# KiCad board FPGA-BOARDver3.kicad_pcb (continued)
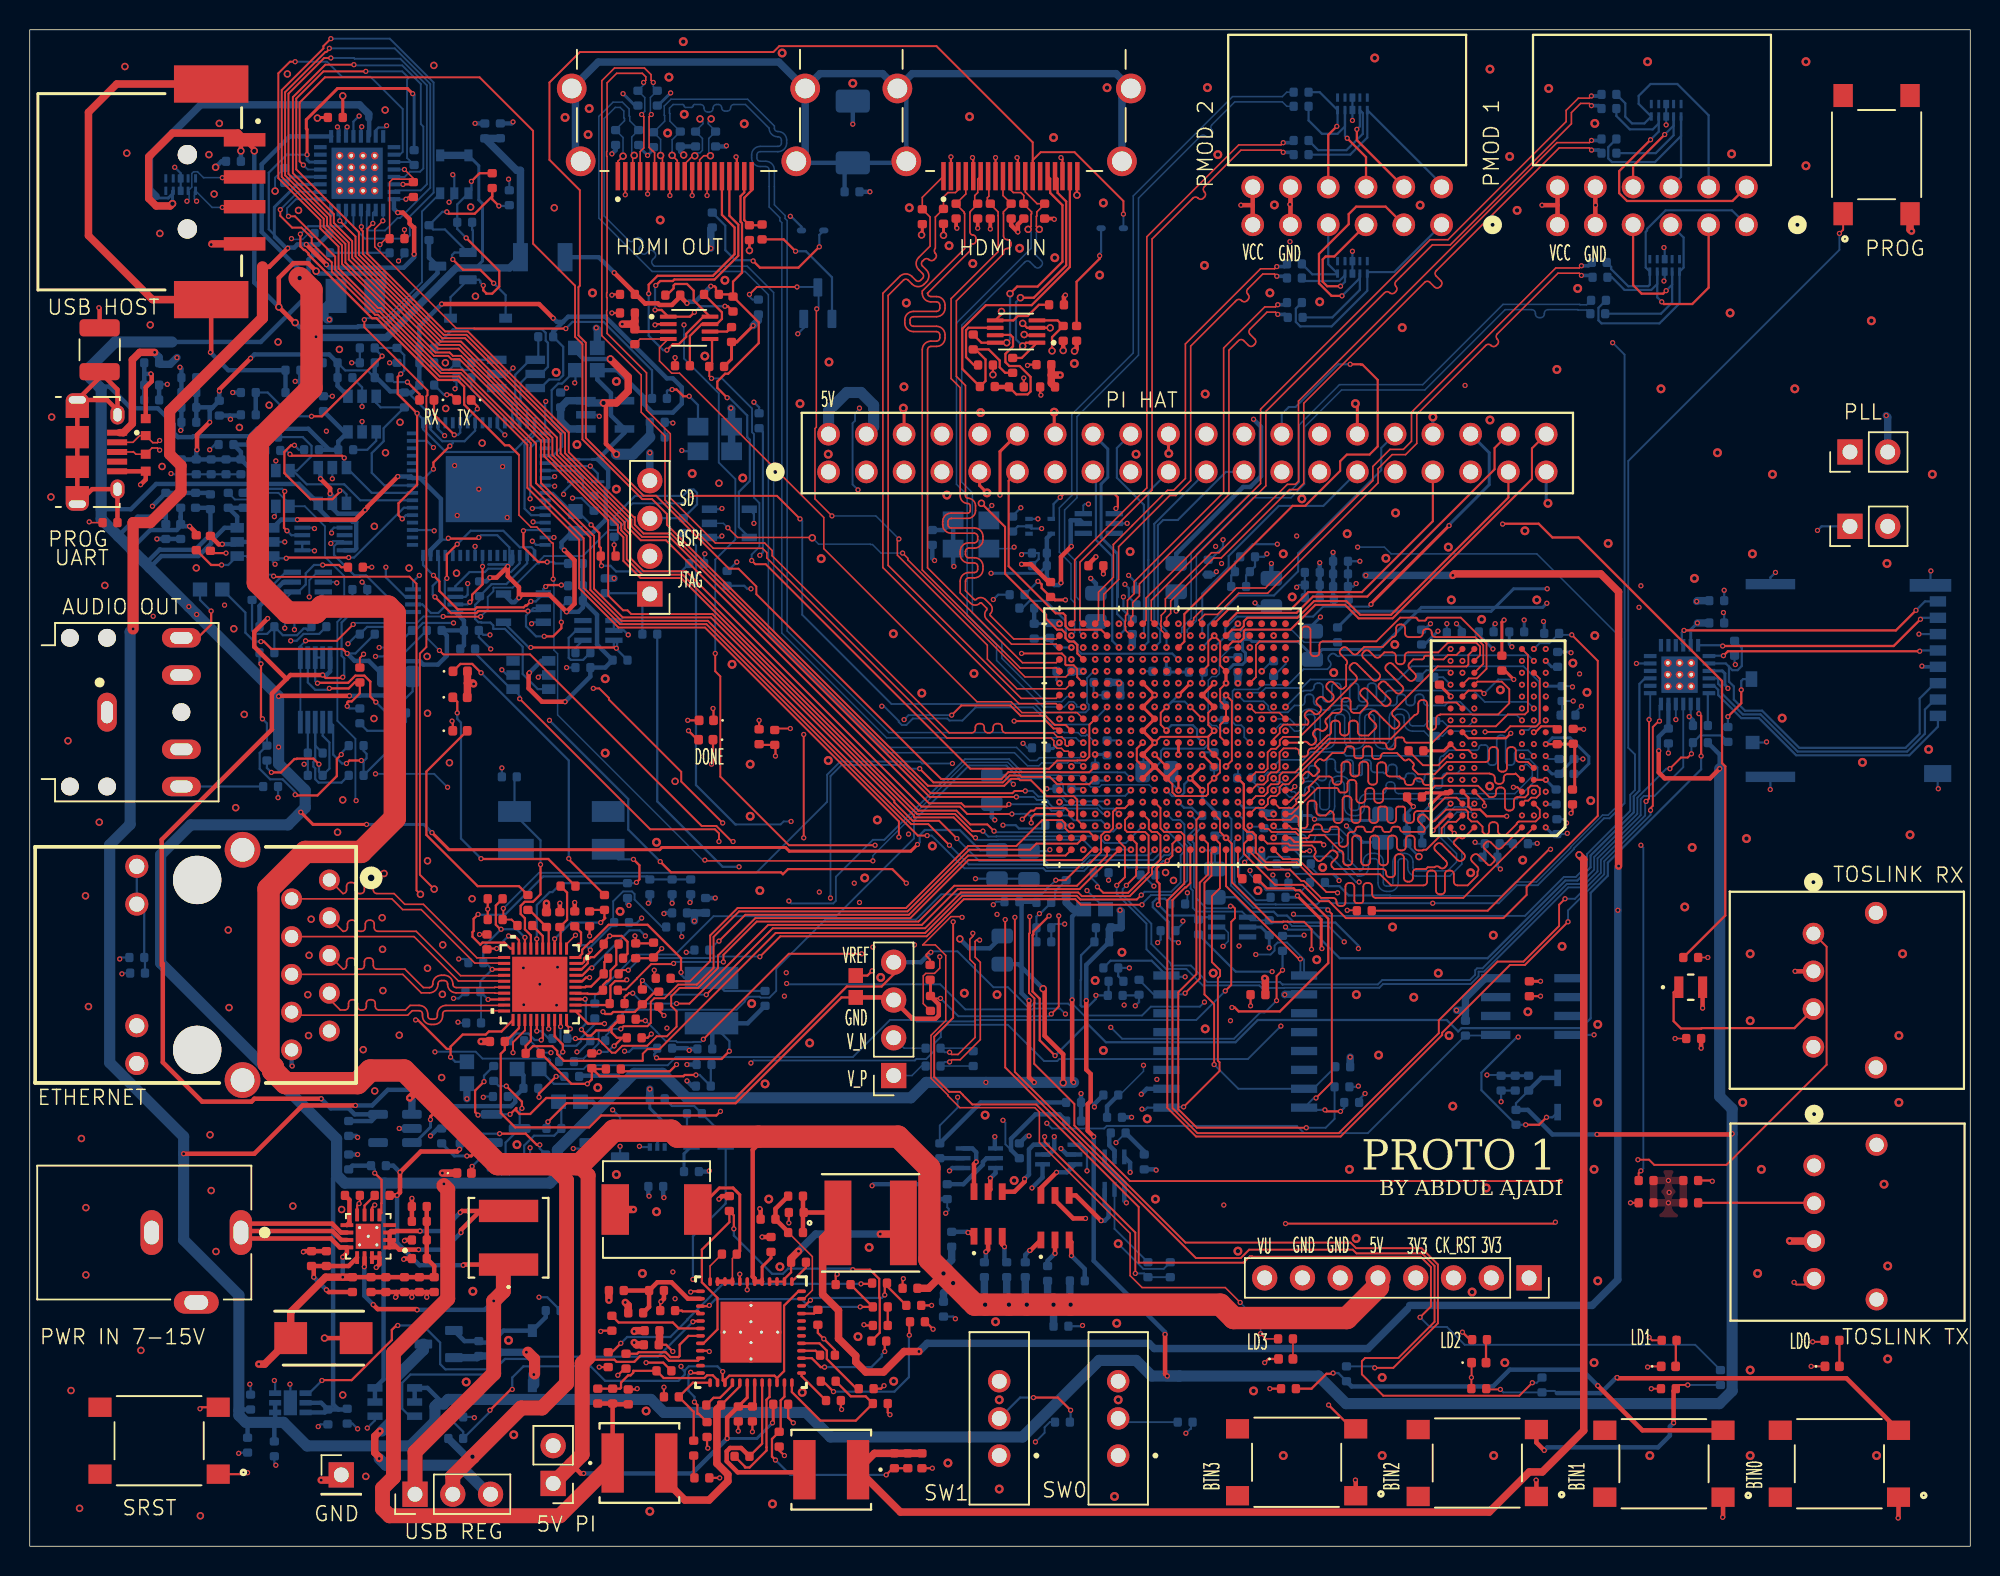
[diagram p0: board, top side]
## Nets (continued)
VREF0V9: C8.1 R18.2 R19.1 U1.E11
VU: C30.1 C192.1 C193.1 C194.1 C195.1 C196.1 C197.1 C198.1 C199.1 D37.1 J1.1 J7.8 R90.1 U14.10 U14.11 U14.12
XADC1v8: C13.1 U1.J9
XADC1V8: C26.1 C32.1 FL2.2 U16.1
XADC_V_N: J6.2 R123.1
XADC_V_P: J6.1 R122.1
XADCGND: C12.2 C13.2 C18.2 C26.2 C32.2 FL5.2 J6.3 U1.J10 U1.K10 U16.3
XADCVREF: C12.1 C18.1 J6.4 U1.L9 U16.2
Net-(C27-Pad2): C27.2 CR4.2 Q7.1 R83.2 R84.1
Net-(C147-Pad2): C147.2 R97.1
Net-(C150-Pad2): C150.2 R98.1
Net-(C152-Pad2): C152.2 R101.1
Net-(C158-Pad2): C158.2 R100.1
Net-(C175-Pad1): C175.1 R11.2 R12.1
Net-(C175-Pad2): C175.2 R16.2 R194.2 U10.1
Net-(C178-Pad1): C178.1 R194.1 R195.2
Net-(C179-Pad2): C179.2 F2.1 R196.2
Net-(C182-Pad1): C182.1 C183.1 CR3.2 Q10.1 R199.1 R200.2
Net-(C190-Pad2): C190.2 C191.2 R204.1 R205.1 U26.28 U26.30
Net-(CR5-OUTPUT): CR5.3 R201.1
Net-(D1-A): D1.2 R1.2
Net-(D4-A): D4.2 R2.2
Net-(D5-A): D5.2 R13.2
Net-(D6-A): D6.2 R14.2
Net-(D7-BA): D7.1 R30.2
Net-(D7-BK): D7.6 U32.6
Net-(D7-GA): D7.3 R32.2
Net-(D7-GK): D7.4 U33.6
Net-(D7-RA): D7.2 R31.2
Net-(D7-RK): D7.5 U33.3
Net-(D8-BA): D8.1 R58.2
Net-(D8-BK): D8.6 U31.3
Net-(D8-GA): D8.3 R60.2
Net-(D8-GK): D8.4 U32.3
Net-(D8-RA): D8.2 R59.2
Net-(D8-RK): D8.5 U31.6
Net-(D25-K): D25.2 R94.1
Net-(D26-PadA): D26.A R142.1
Net-(D27-PadA): D27.A R143.1
Net-(DONE1-A): DONE1.1 R115.2
Net-(F2-Pad2): F2.2 J9.3
Net-(IC1-ZQ): IC1.L8 R95.1
Net-(J4-Pin_1): J4.1 R46.1 R48.2
Net-(J4-Pin_3): J4.3 R47.2 R49.2
Net-(J5-Pin_1): J5.1 R39.2 R40.1
Net-(J8-Pin_1): J8.1 R41.2 R42.1
Net-(J9-Pad2): J9.2 R197.1
Net-(J10-Pad19): J10.19 R154.2 R207.2
Net-(J11-Pad19): J11.19 R152.1
Net-(J13-CD/DAT3^2): J13.2 U13.22
Net-(J13-CLK): J13.5 U13.19
Net-(J13-CMD): J13.3 R186.1 U13.20
Net-(J13-DAT0): J13.7 U13.18
Net-(J13-DAT1): J13.8 U13.16
Net-(J13-DAT2): J13.1 U13.23
Net-(J13-DETECT_SWITCH): J13.10 R184.2
Net-(J16-SHIELD): C203.1 J16.SH1 J16.SH2 J16.SH3 J16.SH4 J16.SH5 J16.SH6 R112.1
Net-(P1-P1): P1.1 R71.2 U29.5
Net-(P1-P2): P1.2 R72.2 U29.4
Net-(P1-P3): P1.3 R73.2 U29.1
Net-(P1-P4): P1.4 R74.2 U29.2
Net-(P1-P7): P1.7 R79.2 U30.4
Net-(P1-P8): P1.8 R80.2 U30.5
Net-(P1-P9): P1.9 R81.2 U30.1
Net-(P1-P10): P1.10 R82.2 U30.2
Net-(P2-P1): P2.1 R67.2 U27.1
Net-(P2-P2): P2.2 R68.2 U27.2
Net-(P2-P3): P2.3 R69.2 U27.4
Net-(P2-P4): P2.4 R70.2 U27.5
Net-(P2-P7): P2.7 R75.2 U28.1
Net-(P2-P8): P2.8 R76.2 U28.2
Net-(P2-P9): P2.9 R77.2 U28.4
Net-(P2-P10): P2.10 R78.2 U28.5
Net-(PWR1-A): PWR1.2 R111.2
Net-(Q8-Pad3): Q8.3 R94.2
Net-(Q9-Pad1): Q9.1 R207.1
Net-(R10-Pad1): R3.2 R9.1 R10.1 R11.1
Net-(R15-Pad1): R15.1 R27.1 S7.3
Net-(R21-Pad1): R21.1 R26.1 S6.3
Net-(R22-Pad1): R22.1 R25.1 S8.3
Net-(R23-Pad1): R23.1 R24.1 S9.3
Net-(R33-Pad1): R33.1 U32.2
Net-(R34-Pad1): R34.1 U33.5
Net-(R35-Pad1): R35.1 U33.2
Net-(R44-Pad1): R44.1 S2.1
Net-(R61-Pad1): R61.1 U31.5
Net-(R62-Pad1): R62.1 U31.2
Net-(R63-Pad1): R63.1 U32.5
Net-(RX1-A): R219.2 RX1.2
Net-(SW0-B): R29.1 SW0.2
Net-(SW1-B): R28.1 SW1.2
Net-(TX1-A): R220.2 TX1.2
Net-(U1C-PS_DDR_VRN_502): R7.2 U1.G5
Net-(U1C-PS_DDR_VRP_502): R6.2 U1.H5
Net-(U1D-PS_MIO16_501): R239.1 U1.A19
Net-(U1D-PS_MIO17_501): R234.1 U1.E14
Net-(U1D-PS_MIO18_501): R236.1 U1.B18
Net-(U1D-PS_MIO19_501): R237.1 U1.D10
Net-(U1D-PS_MIO20_501): R238.1 U1.A17
Net-(U1D-PS_MIO21_501): R235.1 U1.F14
Net-(U1D-PS_MIO40_501): R8.1 U1.D14
Net-(U1E-DONE_0): R114.2 R115.1 U1.R11
Net-(U1E-INIT_B_0): R54.2 U1.R10
Net-(U1E-PROGRAM_B_0): R53.2 U1.L6
Net-(U1E-TCK_0): R120.1 U1.F9
Net-(U1E-TDI_0): R119.1 U1.G6
Net-(U1E-TDO_0): R121.1 U1.F6
Net-(U1E-TMS_0): R118.1 U1.J6
Net-(U1H-PS_MIO6_500): R4.1 U1.A5
Net-(U3-OSCI): U3.2 U38.3
Net-(U3-REF): R51.1 U3.6
Net-(U3-RESET-): R210.2 U3.14
Net-(U5-RES_LED): R52.1 U5.2
Net-(U6-VCC): L1.1 U6.3
Net-(U8-OE): R131.2 U8.6
Net-(U8-VCCB): C17.1 R240.2 U8.7
Net-(U10A-+): C3.1 R12.2 U10.2
Net-(U10A--): R16.1 R193.2 U10.3
Net-(U10B-+): C177.1 R195.1 U10.7
Net-(U10B--): C178.2 C179.1 U10.8 U10.9
Net-(U11A-Y): R152.2 U11.4
Net-(U12-CLKOUT): R171.2 U12.35
Net-(U12-DVDD33): C56.1 C58.1 R156.1 U12.29
Net-(U12-LED0/CFG_EXT): R173.1 R177.1 U12.32
Net-(U12-LED1/CFG_LDO0): R175.1 R178.2 U12.33
Net-(U12-LED2/CFG_LDO1): R174.1 R176.1 U12.34
Net-(U12-REG_OUT/LDO_OUT): L2.1 R180.1 U12.30
Net-(U12-RSET): R172.2 U12.39
Net-(U12-RXC/PHYAD1): C59.1 R158.1 R161.1 U12.27
Net-(U12-RXCTL/PHYAD2): R159.1 R162.1 U12.26
Net-(U12-RXD0/RXDLY): R166.1 R169.2 U12.25
Net-(U12-RXD1/TXDLY): R165.1 R167.2 U12.24
Net-(U12-RXD2/PLLOFF): R157.1 R164.1 R168.2 U12.23
Net-(U12-RXD3/PHYAD0): R160.2 R163.1 U12.22
Net-(U12-XTAL_IN): C60.1 U12.36 Y1.1
Net-(U12-XTAL_OUT/EXT_CLK): C61.1 U12.37 Y1.3
Net-(U13-SEL): R179.2 U13.24
Net-(U14-EN): C28.1 R89.1 R90.2 U14.13
Net-(U14-FB): R87.1 R88.2 U14.5
Net-(U14-FSW): R91.2 U14.7
Net-(U14-SS/TR): C29.1 U14.9
Net-(U14-SW@1): L3.2 U14.1 U14.2 U14.3
Net-(U21A-Y1): R3.1 U21.6
Net-(U22-CB1): C168.1 U22.1
Net-(U22-CB2): C165.1 U22.12
Net-(U22-CB3): C162.1 U22.28
Net-(U22-CB4): C155.1 U22.33
Net-(U22-COMP1): C149.2 R97.2 U22.46
Net-(U22-COMP2): C151.2 R98.2 U22.15
Net-(U22-COMP3): C159.2 R100.2 U22.25
Net-(U22-COMP4): C153.2 R101.2 U22.36
Net-(U22-I2CALERT): R206.2 U22.41
Net-(U22-RCLOCK_SYNC): R102.2 U22.40
Net-(U22-SS1/PG1): C148.2 U22.45
Net-(U22-SS2/PG2): C157.2 U22.16
Net-(U22-SS3/PG3): C160.2 U22.24
Net-(U22-SS4/PG4): C154.2 U22.37
Net-(U22-SW1): C168.2 L10.2 U22.2 U22.3 U22.4
Net-(U22-SW2): C165.2 L5.2 U22.9 U22.10 U22.11
Net-(U22-SW3): C162.2 L6.2 U22.29
Net-(U22-SW4): C155.2 L7.2 U22.32
Net-(U22-VDDA): C146.1 U22.19
Net-(U22-VDDG): C143.2 U22.18
Net-(U22-VFB1): C169.2 R109.2 R110.1 U22.47
Net-(U22-VFB2): C166.2 R107.2 R108.1 U22.14
Net-(U22-VFB3): C163.2 R105.2 R106.1 U22.26
Net-(U22-VFB4): C161.2 R103.2 R104.1 U22.35
Net-(U24-OE): R124.2 U24.6
Net-(U24-VCCB): C24.1 R241.2 U24.7
Net-(U26-VDD15): C188.2 U26.12
Net-(U37-DI): R211.2 U37.3
Net-(U40-A2): R214.2 U40.3 U41.4
Net-(Y2-OUT): R50.2 Y2.3

Pads without a net: IC1 J1 J9 L1 L9 M7; J7 1; J8 2; J9 4 5; J10 14; J11 14; J12 9 13 14 15 16; J14 1 17; J16 4; S1 2 4; S2 2 4; S6 2 4; S7 2 4; S8 2 4; S9 2 4; U1 A20 B9 B12 B13 B19 B20 C12 C20 D18 E6 E8 E17 E18 E19 F16 F17 F19 F20 G18 G19 G20 H15 H20 J16 J20 K16 N17 P1 P3 P15 P16 P18 R1 R2 R3 R16 R17 T1 T2 T4 T5 T9 T10 T11 T12 T14 T15 U2 U3 U4 U5 V1 V2 V3 V5 W1 W3 W4 W5 Y1 Y2 Y3 Y4; U3 3 36 60; U4 1 2 3 6 7; U5 5 6; U6 5 6; U7 3 4 5 6 11 12 13 14; U13 8 10 12 13 14 15; U14 4; U15 4; U17 3 4; U18 1; U19 1; U22 38 44; U23 1 6; U26 8 15 16 24 25; U27 6 7 9 10; U28 6 7 9 10; U29 6 7 9 10; U30 6 7 9 10; U35 5 6 7 9 10; U36 4; U40 6; U45 6; U46 6; Y1 2 4

## Via types
v1: diameter 0.35, hole 0.2, Top to Bottom, 1308 vias
v2: diameter 0.5, hole 0.3, Top to Bottom, 140 vias
v3: diameter 0.6, hole 0.3, Top to Bottom, 209 vias

## Routing (per net, layer and track width the routed paths; a pad name or vN(x,y) marks a point on that pad's centre or on a via; arc(x,y) is an arc through that point)
+1V0: length 227.6
  Top w0.127: U1.N7 79.26,56.06 79.26,55.24 v1(79.65,54.85) ; v1(79.65,54.85) 79.26,54.46 79.26,53.64 U1.J7 80.04,52.86 80.04,52.04 v1(79.65,51.65) 79.24,51.24 79.24,50.59 79.11,50.46 77.09,50.46 76.84,50.7 76.84,51.26 U1.G11 ; v1(79.65,54.85) 79.24,54.44 76.04,54.44 v1(75.65,54.05)
  Top w0.2: U1.R7 U1.P8 U1.N7 ; U1.G13 U1.H12 ; U1.H12 U1.J13 v1(75.65,54.05) U1.L13 U1.M12 U1.N13 v1(75.65,57.25) U1.R13 ; U1.H12 U1.G11 U1.H10
  Top w0.3: R109.1 C169.1 ; L10.1 53.65,22.45 C170.1
  Top w0.5: v1(106.85,45.75) 106.85,64.2 105.65,65.4 95.8,65.4 v1(95.7,65.3) ; L10.1 53.32,20.72 53.32,16.94 54.39,15.87 54.39,13.97 55.55,12.81 55.55,12.39 56.22,11.72 57.42,11.72 58.8,13.1 v1(59.8,13.1)
  SIGNAL2.Cu w0.127: v1(106.8,42.77) 105.11,44.46 100.01,44.46 99.8,44.67 v1(89.4,44.67) ; v1(75.65,57.25) 76.05,57.65 78.19,57.65 78.42,57.88 78.42,61.1 78.43,61.11 78.43,65.93 v1(79.75,67.25)
  SIGNAL2.Cu w0.14: v1(79.66,58.05) 80.08,58.48 80.08,66.03 v1(80.15,66.1)
  SIGNAL2.Cu w0.2: 80.1,66.05 v1(80.15,66.1)
  Bottom w0.127: C114.1 v1(79.65,51.65) ; v1(89.4,44.67) 89.2,44.67 87.47,46.4 85.48,46.4 84.9,46.97 C131.1
  Bottom w0.14: v1(79.65,54.85) 79.26,54.46 79.26,53.93 78.98,53.65 76.23,53.65 76.07,53.49 76.07,52.77 75.4,52.1 74.9,52.1 74.9,53.3 v1(75.65,54.05)
  Bottom w0.15: v1(83.2,66.75) 83,66.55 C94.1 82.4,65.9 C96.1 81.8,65.3 C111.1
  Bottom w0.3: v1(86.75,66.15) C110.1 C95.1 ; v1(87.65,66.85) C109.1 87.65,63.75 C91.1 ; 79,65.35 79.6,65.35 v1(79.8,65.55) ; v1(83.5,66.1) C136.1
  Bottom w0.5: 92.65,15.95 90,13.3 75.62,13.3 75.27,13.65 60.35,13.65 v1(59.8,13.1) ; 106.8,45.7 v1(106.8,42.77) 106.8,17.93 105.07,16.2 92.8,16.2 ; v1(95.7,65.3) v1(89.85,65.3)
+1V5: length 153.2
  Top w0.127: R7.1 98.05,42.75 102.17,46.88 v1(102.27,46.88) ; IC1.H9 95.95,53.55 96.75,53.55 v1(97.15,53.15)
  Top w0.2: C49.1 93.9,50.67 95.13,50.67 95.2,50.75 IC1.D9 95.41,50.61 94.93,50.61 v1(94.2,49.88) ; v1(104.5,54.95) 104.48,54.97 C34.1 ; IC1.H9 95.1,53.5 C48.1
  Top w0.5: C156.1 R103.1 56.8,6.25 L7.1 58.55,2.3 98.15,2.3 100.85,5 101.73,5 104.5,7.78 104.5,46.2 v2(104.2,46.5)
  Bottom w0.127: v1(97.2,47.35) 97.3,47.25 C37.1 ; C84.1 103.95,56.1 v1(104.35,56.5) ; C46.1 95.05,58.45 v1(95.55,57.95) ; C47.1 103.7,57.85 v1(103.75,57.8) ; C89.1 84.46,59.34 v1(84.46,59.63) ; C88.1 83.32,46.37 84.68,46.37 C90.1 ; v1(103.4,47.95) 103.35,47.9 C39.1 ; R17.1 v1(104.45,52.95)
  Bottom w0.15: C86.1 82.62,49.68 81.6,49.68 v1(81.24,50.04) ; C83.1 93.6,49.27 v1(94.2,49.88) ; C51.1 93.65,48.05 v1(95.55,49.95)
  Bottom w0.2: C85.1 89.65,47.35 v1(88.55,48.45) ; v1(101.38,47.27) 101.35,47.25 C38.1 ; C40.1 96.3,61.7 v1(95.95,62.05) ; C50.1 93.8,60.65 v1(94.7,61.55) ; C39.1 102.4,47.9 v1(101.95,48.35) ; C43.1 102.35,59.15 v1(101.94,59.55) ; v1(99.67,60.5) 99.5,60.67 C44.1 ; v1(101.95,57.95) 102.05,57.85 C47.1 ; C83.1 93.6,47.35 C51.1 ; v1(101.97,52.35) 102.37,51.95 C82.1 R17.1 ; v1(101.94,49.95) 101.99,49.9 C42.1 ; C45.1 97.85,46.5 C37.1 ; C41.1 97.45,61.3 v1(98.4,60.35)
  Bottom w0.5: v1(83.65,49.25) 83.6,49.3 C86.1 ; 82.85,46 82.85,46.78 ; 96.35,61.5 C40.1 ; C87.1 v1(81.25,58.05)
  vias: v1(82.05,60.45) v1(82.05,52.45) v1(82.85,54.85) v1(82.85,46.85) v1(83.65,57.25) v1(84.45,51.65) v1(95.55,59.54) v1(95.56,51.55) v1(96.36,55.54) v1(96.35,48.35) v1(101.15,55.54) v1(101.16,53.96) v1(101.15,50.75) v1(101.17,49.16)
+1V8: length 639.4
  Top w0.127: v1(78.05,56.44) 78.06,56.44 U1.M8 ; v1(76.44,54.88) 76.06,55.26 76.06,56.06 v1(76.45,56.45)
  Top w0.2: v1(59.7,47.2) 59.25,46.75 51.08,46.75 50.83,47 42.51,47 42.36,46.85 28.2,46.85 v1(27.05,48) ; v1(22.65,48.55) 19.05,48.55 v1(18.23,49.38) ; v1(78.86,50.86) 78.84,50.86 U1.G9 78.05,51.67 v1(78.84,52.46) ; U1.R9 U1.P10
  Top w0.3: v1(70.1,36.75) 70.1,31.3 v1(70.2,31.2) ; v1(67.55,31.2) 67.2,31.55 v1(67.2,36.7) ; C163.1 39.25,9.55 C164.1 ; C163.1 L6.1 ; C163.1 R105.1 ; R221.2 11.2,68.15 v1(10.75,68.6) ; v1(69.35,64.8) 69.35,66.55 v1(70.05,67.25) ; v1(16.73,57.16) 16.77,57.2 v1(21.5,57.2) ; v2(68.15,37.5) 68.25,37.4 68.25,34.34 69.5,33.09 v2(69.5,31.17)
  Top w0.75: 28,24.22 v1(27.85,24.38)
  Top w1: L6.1 35.65,2.05 24.2,2.05 23.73,2.53 23.73,3.9 24.46,4.63 24.46,13 28.11,16.65 28.11,23.99 27.85,24.25
  SIGNAL.Cu w0.127: v1(59.7,47.2) 59.7,48.2 63.16,51.66 71.57,51.66 72.08,51.15 72.52,51.15 72.85,51.48 72.85,52.06 73.67,52.87 76.08,52.87 v1(76.44,53.23)
  SIGNAL.Cu w0.15: v1(64.3,31.2) 64.65,31.55 75.65,31.55 v1(75.8,31.4)
  SIGNAL2.Cu w0.127: v1(76.45,56.45) 76.05,56.85 74.75,56.85 74.44,57.16 74.44,58.24 74.23,58.45 ; v1(16.73,53.75) 16.75,53.75
  SIGNAL2.Cu w0.15: v1(76.46,50.83) 75.23,49.6 75.23,47.01 75.24,46.99 75.24,45.29 76.55,43.98 76.55,32.15 v1(75.8,31.4)
  SIGNAL2.Cu w0.2: v1(64.65,65.44) 64.59,65.5 56.65,65.5 ; 12.85,64.3 11.75,64.3 10.7,63.25 v1(10.7,63.2) ; 12.85,64.3 12.8,64.3 11.22,62.72 v1(11.22,62.67) ; 12.85,64.3 31.15,64.3 32.05,63.4 33.07,63.4 33.3,63.63 33.3,63.97 39.68,63.97 40.65,63 47.67,63 48.72,64.05 55.2,64.05 56.65,65.5 ; 56.65,65.5 56.8,65.5 56.9,65.6 56.93,65.6 58.93,67.6 69.7,67.6 v1(70.05,67.25) ; 74.23,58.45 73.1,58.45 73.1,58.44 69.09,58.44 68.55,57.9 68.55,57.9 68.53,57.88 55.93,57.88 52.1,54.05 17.05,54.05 16.75,53.75
  Bottom w0.127: v1(76.45,56.45) 76.81,56.81 77.67,56.81 v1(78.05,56.44)
  Bottom w0.15: v1(77.26,57.26) 77.26,57.26 v1(76.45,56.45) ; v1(76.44,54.88) 76.78,55.23 78.22,55.23 78.5,54.95 78.5,54.43 v1(78.87,54.06) ; C132.1 63.92,46.8 62.54,48.17 60.19,48.17 59.85,47.83 59.85,47.35 v1(59.7,47.2) ; v1(76.46,50.83) 76.83,50.46 77.42,50.46 77.64,50.68 77.64,51.25 v1(78.04,51.65)
  Bottom w0.2: C76.1 67.89,65.44 v1(64.65,65.44) ; v1(78.86,50.86) 78.86,50.29 79.85,49.3 C97.1 ; v1(27.05,48) 26.5,48.55 v1(22.65,48.55)
  Bottom w0.3: v1(70.05,67.25) 70,67.3 70,69.01 70.63,69.01 U17.5 ; v1(21.5,57.2) 22.17,57.2 22.19,57.22 24.38,57.22 24.85,57.7 24.85,59.3 25.08,59.52 26.25,59.52 26.47,59.3 27.45,59.3 28.05,59.9 28.05,61.25 R233.2 R232.2 ; 7.6,66.3 8,66.3 8.75,67.05 8.78,67.02 11.12,67.02 12.15,68.05 C231.1 12.05,69.85 C232.1 ; R232.2 29.2,62.26 U47.8 ; R232.2 29.2,60.6 R230.2 ; C222.1 9.15,69.25 ; 9.15,69.25 7.25,69.25 5.95,67.95 ; 9.15,69.25 C227.1 ; v1(70.1,36.75) 70.1,42.35 70.6,42.85 FL1.2 ; v1(67.2,36.7) 66.7,37.2 66.7,43.2 C124.1 ; FL2.1 37.85,29.9 38.29,29.46 ; U18.5 68.4,67.8 C76.1 68.4,65.15 68.9,64.65 69.2,64.65 v1(69.35,64.8) ; U20.2 19.6,9.65 C172.1 ; C173.1 21.3,9.2 20.75,9.2 ; C172.1 19.85,9 U20.3 ; C172.1 20.75,9.2 ; C118.1 67.65,43.35 C124.1 ; U46.8 21.84,66.99 21.96,67.11 21.96,68.9 21.71,68.9 21.81,69 20.23,69 19.4,69.83 U43.6 18.1,71.45 8.5,71.45 6.8,69.75 4.8,69.75 ; 4.65,78 5.35,78 6.81,76.54 8.61,76.54 9.67,75.48 9.67,74.89 9.96,74.6 10.95,74.6 11.01,74.66 14.79,74.66 15.29,75.16 18.74,75.16 20.15,73.75 ; 23.85,24.42 23.8,24.37 23.8,11.23 U9.6 U9.5 ; 20.75,9.2 20.4,9.55 20.4,24.74 20.64,24.98 ; 10.15,69.25 10.15,68.62 9.88,68.35 8.1,68.35 6.82,67.07 ; 10.15,69.25 C225.1 10.3,68.6 v1(10.75,68.6) ; 10.15,69.25 C233.1 ; v2(68.15,37.5) 66.5,39.15 C125.1 ; 40.02,31.18 39.55,31.65 37,31.65 C21.1 ; C229.1 21.15,74.95 U44.6 20.75,74.3 R228.2 20.15,73.75 ; R205.2 18.75,86.55 18.75,84.21 15.54,81 9.56,81 ; 8.07,65.82 8.85,66.6 11.35,66.6 12.2,67.45 12.2,67.6 13.1,68.5 U39.6 13.95,69.25 R224.2 R231.2 14.45,69.95 U42.6 ; R226.2 20.15,73.75 ; C124.1 66.55,43.3 66.6,43.25
  Bottom w0.5: FL1.2 70.15,42.85 69.7,43.3 C108.1
  Bottom w0.75: v1(70.2,31.2) v1(67.55,31.2) v1(64.3,31.2) 60.29,31.2 59.26,30.16 44.2,30.16 42.55,31.81 40.65,31.81 35.48,26.65 35.48,24.93 34.98,24.42 21.19,24.42 20.64,24.98 20.64,27.4 8.8,39.23 8.8,46.5 10.82,48.52 17.37,48.52 18.53,49.67 18.53,50.84 16.73,52.63 v1(16.73,57.16) v1(11.22,62.67) v1(10.7,63.2) 4.8,69.1 4.8,77.85 4.1,78.55 4.1,79.35 5.75,81 9.56,81
  vias: v1(78.06,58.04) v1(78.84,55.64)
+3V3: length 267.7
  Top w0.1: R191.2 v1(112.85,39.6)
  Top w0.127: U1.K6 80.06,54.44 80.06,55.26 U1.M6 U1.N6 80.06,56.84 80.06,57.66 U1.R6 ; U1.T8 79.26,59.26 79.26,60.86 U1.W7 80.06,60.84 80.06,59.24 U1.T6 ; v1(86.2,40.15) 86.2,41.5 85.7,42 84.61,42 84.6,42.01 84.3,42.01 84.29,42 83.5,42 80.85,44.65 80.85,45.55 80.84,45.56 80.84,47.26 v1(80.45,47.65) 80.04,48.06 80.04,48.86 U1.D7
  Top w0.15: R93.1 v1(23,65.85) ; v2(68.63,81.95) U24.3 67.08,81.95 v2(66.77,82.25) ; R124.1 v2(64.77,78.8)
  Top w0.2: v1(86.9,40.2) 86.85,40.25 86.85,42.15 v1(85.25,43.75) ; v2(59.98,88.2) 60.02,88.25 R141.2 ; v1(48.65,82.1) 47.55,81 R131.1 47.2,79.85 R127.2 ; C15.1 v1(101.6,38) ; C187.2 19.39,96.1 v2(19.34,96.06) ; U8.3 40.84,81.7 R128.2 ; U1.R6 U1.T6 ; R140.2 v2(61.45,88.17)
  Top w0.249: v1(62.35,88.65) 62.3,88.7 R139.2 ; R138.2 v1(63.75,88.65) ; R134.2 68.85,89.3 v1(68.9,89.25) ; R137.2 v1(64.6,88.6)
  Top w0.3: R129.2 69.55,84.05 v1(69.65,84.15) ; S8.1 101.32,4.43 v1(101.3,4.45) ; R130.2 v2(69.5,80.42) ; L1.2 v1(112.5,36.2) ; R156.2 v1(36.65,43.3) ; v1(101.7,90.2) 102.75,90.2 ; 102.75,90.2 P1.12 ; 102.75,90.2 P1.6 ; R142.2 70.4,80.52 v2(70.26,80.39) ; P2.12 82.25,90.15 ; 82.25,90.15 P2.6 ; 82.25,90.15 82.2,90.2 v1(81.45,90.2) ; R114.1 68.52,64.85 67.33,66.05 v1(66.7,66.05) ; R135.2 66.45,88.9 v1(66.45,88.4) 66,88.85 R136.2 ; v1(125.65,1.9) 125.67,1.92 S7.1 ; v1(89.15,4.45) 89.17,4.43 S9.1 ; C10.2 v1(112.4,33.5) ; R177.2 v1(35.65,43.25) ; S6.1 113.88,1.97 v1(113.85,1.95) ; R54.1 v1(72.2,65.4)
  Top w0.5: v1(40.65,14.45) 40.7,14.5 C167.1 ; C176.1 68.7,78.22 68.7,78.77 ; 40.7,82.4 R128.2 ; 40.7,82.4 C22.1 ; 40.7,82.4 40.5,82.2 v1(39.85,82.2) ; 29.44,58.05 29.44,57.11 D32.2 ; 29.44,58.05 29.8,58.05 v1(29.85,58) ; 29.44,58.05 D33.2 ; v1(83.05,38.2) 83.1,38.15 C14.1 ; C166.1 40.25,16.2 v1(40.05,16.4) ; L5.1 v1(40.6,22.65) ; 68.7,78.77 v1(69.3,78.77) ; 68.7,78.77 C23.1 ; R182.2 v1(30.35,33.95) ; R107.1 v1(38.95,16.55) ; v1(40.65,13.7) 40.8,13.55 C200.1 ; v1(118.35,20.55) 118.37,20.53 U5.3 ; D25.1 v1(27.75,25.1) ; R176.2 v1(34.75,43.25)
  SIGNAL.Cu w0.15: v1(85.25,43.75) 84.42,44.57 82.23,44.57 81.69,45.11 81.69,45.99 v1(81.7,46)
  SIGNAL.Cu w0.2: v1(77.25,62.05) 76.85,61.65 76.85,60.07 v1(76.44,59.66) ; v1(108.35,64.6) 108.15,64.4 v1(102.05,64.4) ; v1(108.23,63.15) 107.95,63.42 v1(102.02,63.42) ; v1(96.52,78.07) 95.94,77.49 95.94,75.02 94.76,73.84 94.21,73.84 93.3,72.92 93.3,72.35 91.05,70.1 89.67,70.1 82.03,62.46 80.89,62.46 v1(79.67,61.24)
  Bottom w0.126: C107.1 71.65,53.25 v1(71.63,53.26)
  Bottom w0.127: C92.1 80.3,47.8 v1(80.45,47.65)
  Bottom w0.15: v1(22.15,96.2) 21.77,95.82 U26.20 ; C121.1 74.4,64.8 v1(73.9,65.3) ; 82,46.65 82,46.3 v1(81.7,46) ; v1(22.33,95.47) 22.27,95.42 U26.21 ; v1(89.35,40.2) 89.35,40.4 87.8,41.95 85.02,41.95 84.55,42.42 83.92,42.42 83.66,42.67 82.11,42.67 81.13,43.65 C129.1 ; R186.2 114.65,59.35 v1(114.7,59.3) ; C184.2 49.31,74.94 49.31,66.86 v1(49.1,66.65)
  Bottom w0.2: v1(114.2,57.7) 114.2,57.74 114,57.94 114,58.7 113.83,58.88 U13.21 ; U23.5 82.81,41.65 R45.2 83.36,40.26 v1(83.35,40.25) ; C103.1 68.55,62.05 C101.1 ; 68.55,53.65 68.82,53.65 v1(69.23,54.06) ; v1(102.05,64.4) 99.79,64.4 98.28,62.89 89.04,62.89 R53.1 ; U19.5 42.7,28.46 41.7,29.46 R92.1 ; C106.1 72.39,53.26 v1(71.63,53.26) ; U13.17 111.7,61.65 v1(112.15,62.1) ; v1(85.25,43.75) 85.15,43.65 R36.1 ; C123.1 70.02,48.5 v1(70.06,48.46) ; v1(39.9,97.7) 40.7,96.9 R149.2 ; v1(80.46,58.05) 80.46,58.81 80.95,59.3 81.54,59.3 81.76,59.52 81.76,60.08 81.56,60.28 81.56,60.91 C98.1 82.2,60.85 85.3,60.85 86.25,59.9 C138.1 86.92,60.32 90.76,60.32 93.59,63.15 101.75,63.15 v1(102.02,63.42) ; v1(76.44,59.66) 76.44,58.91 C119.1 76.55,58.8 C99.1 ; C105.1 70.77,50.95 v1(70.84,50.88) ; R148.2 42.25,96.9 v1(43.1,97.75) ; R147.2 41.95,93.95 v1(41.55,93.55) 40.95,94.15 R150.2
  Bottom w0.25: J13.4 127.3,59.15 v1(127.25,59.2)
  Bottom w0.3: R192.2 C101.1 ; v1(46.85,94.2) 46.8,94.15 46.15,94.15 ; R151.2 39.4,93.9 v1(39.15,93.65) ; v2(43.98,93.57) 43.75,93.8 R146.2 44.65,94.15 ; C133.1 77.1,66.75 81.6,71.25 82.08,71.25 82.8,71.97 82.8,75.3 v1(82.3,75.8) ; v1(71.65,61.25) 71.7,61.3 C134.1 ; C33.1 41.6,23.6 v1(41.65,23.55) ; v1(64.9,48.85) 64.7,49.05 C135.1 ; v1(62.15,65.9) 62.1,65.95 Y2.4 Y2.1 61.45,68.35 C9.1
  Bottom w0.5: 96.55,36.05 96.55,36.88 97.88,38.2 U4.8 ; 96.55,36.05 R117.1 ; 96.55,36.05 v1(95.95,36.05) ; U7.2 84.42,37.12 v1(84.4,37.1) ; v1(47.15,76.55) 47.2,76.5 CR5.4 CR5.1 ; C68.1 44.7,42.6 ; 44.7,42.6 v1(44.7,42.05) ; 44.7,42.6 C67.1 ; C103.1 69.2,62.1 v1(69.25,62.05) ; R155.2 49,82.45 v1(48.65,82.1) ; R116.1 v1(88.8,32.9) ; R143.2 45.8,88.6 v1(45.8,87.3) ; J4.4 v1(41.7,73.55) ; C102.1 73.22,58.1 v1(73.27,58.05) 73.35,57.97 C122.1 ; R92.1 v1(41.7,30.75) ; J5.2 124.95,75.95 v1(124.85,76.05) ; C100.1 74.15,60.55 v1(74.06,60.46) ; C79.1 v1(112.15,62.1) ; R46.2 v1(39.3,65.1) ; v1(112.1,63.55) 112.15,63.6 C80.1 ; C120.1 v1(70.85,58.85) ; FL3.1 v1(29.4,30.1)
  vias: v1(70.05,56.45) v1(72.41,55.65) v1(74.01,52.45) v1(110.2,24.6) v1(110.2,23.1) v1(110.25,23.8)
+5V: length 337.4
  Top w0.15: U22.22 44.93,12.47 42.99,12.47 42.67,12.8 41.05,12.8 40.66,12.41 39.47,12.41 39.32,12.55 37.4,12.55 37.15,12.3
  Top w0.2: U22.5 49.25,18.8 49.85,19.39 C141.1 ; U22.31 48.75,9.55 C142.1 C144.1 48.25,10 U22.30 ; 30.31,26.86 29.7,26.25 v1(29.4,26.25) ; 27.61,29.56 26.95,28.9 v1(26.95,28.7) ; C139.1 50,8.35 v1(49.95,8.3)
  Top w0.3: v1(46.9,7.25) 46.9,8.65 C144.1 ; 36.46,5.49 37.05,4.9 v1(37.25,4.9) ; U22.5 U22.6 48.75,18 48.62,18.14 48.62,26.67 49.25,27.3
  Top w0.5: 26.24,30.94 26.24,30.84 v1(25.55,30.15) ; C140.1 60.45,17.35 v2(61.45,18.35)
  Top w1: J3.2 28.45,4.7 v2(29.77,6.03) 33.05,9.3 34.45,9.3 36.1,10.95 36.1,24.6 35,25.7 ; 36.8,25.7 37.55,24.95 37.55,12.7 37.15,12.3 37.15,6.17 J17.1
  Top w1.5: J7.5 90.67,17.44 88.58,15.35 80.97,15.35 80.07,16.25 v2(70,16.25) v2(68.85,16.25) v2(67.05,16.25) v2(65.85,16.25) v2(64.25,16.25) 63.55,16.25 v2(61.45,18.35) 60.5,19.3 60.5,25.44 58.4,27.55 43.55,27.55 43.15,27.95 39.27,27.95 37.02,25.7 31.47,25.7 25.17,32 22.9,32 22.05,31.15 17.2,31.15 16.36,31.99 16.36,32.2 16.06,32.5 16.06,44.22 18.54,46.7 22.28,46.7 24.55,48.97 24.55,62.75 24.1,63.2 19.63,63.2 19.23,62.8 17.35,62.8 15.34,64.81 15.34,74.29 18.95,77.9 18.95,84.5 v2(18.15,85.3)
  Bottom w0.2: 24.05,81.35 27.55,84.85 27.55,85.05 28.4,85.9 29.9,85.9 30.45,86.45 30.45,90.3 30.2,90.55 30.2,92.85 U25.5 ; U15.3 25.91,27.15 26.95,28.19 v1(26.95,28.7) ; v1(46.9,7.25) 48.9,7.25 v1(49.95,8.3) ; v1(29.4,26.25) 28.55,26.25 C19.1
  Bottom w0.3: v2(18.15,85.3) 18.15,85.85 15.6,88.4 15.6,92.95 17.47,94.82 U26.17 ; v1(46.9,7.25) 44.55,4.9 v1(37.25,4.9)
  Bottom w0.5: v1(19.25,81.35) 19.3,81.3 24,81.3 28.68,85.98 32.28,85.98 F1.2 33,92.54 32.75,92.54 C186.2 31.64,94.69 R202.2 ; v2(65.85,16.25) 65.7,16.4 R60.1 ; R30.1 66.95,16.35 v2(67.05,16.25) ; U15.1 25.7,30 v1(25.55,30.15) ; C7.1 v2(68.85,16.25) 68.45,16.65 R31.1 ; U25.4 U25.5 ; R85.1 28.15,7.24 29.29,6.1 29.75,6.1 ; R59.1 64.2,16.3 v2(64.25,16.25) ; R58.1 62,19.25 61.45,18.7 v2(61.45,18.35) ; C6.1 61.45,17.05 v2(62.1,17.7) ; v2(70,16.25) 69.95,16.3 R32.1
/USB_JTAG_PROGRAMMING/1V8: length 46.5
  Top w0.15: v1(25.05,69.1) 24.8,69.35 24.8,70.15 26.05,71.4 v1(26.05,76.2) 24.75,77.5 24.75,78.65 v1(24.95,78.85) ; v1(18.95,76) 19.65,76 v1(23.7,80.05)
  Bottom w0.15: v1(23.7,80.05) 23.2,80.55 C206.1 C204.1 25.19,80.11 25.19,79.08 v1(24.95,78.85) ; v1(26.05,76.2) 26.45,75.8 U3.49 26.45,75.13 27.98,73.6 32.52,73.6 33.95,75.03 U3.64 33.95,74.75 33.28,74.07 33.28,69.79 33.72,69.35 U3.12 ; U3.37 25.3,69.35 v1(25.05,69.1) ; C207.1 16,77.6 17.6,76 v1(18.95,76)
  Bottom w0.3: C207.1 C205.1
/USB_JTAG_PROGRAMMING/3V3: length 180.2
  Top w0.15: v1(28.15,67.8) 28.17,67.77 30.12,67.77 v1(30.2,67.85) ; v1(27.15,72.45) 27.15,72.9 v1(28.25,74)
  Top w0.3: v1(24.75,71.95) 22.7,69.9 22.7,69.85 v1(22.55,69.7) 21.9,69.05 v1(18,69.05) ; v1(20.2,70.8) 20.2,71.15 v1(19.55,71.8) ; v1(12.95,67.4) 12.94,67.39 12.71,67.39 R222.2 ; v1(12.75,77.7) 12.75,77.8 v1(14.85,79.9) ; v1(35.2,82.6) 34.25,83.55 v1(27.7,83.55) ; v1(33.6,58.75) 33.55,58.7 33.55,57.7 34.45,56.8 v1(36,56.8) ; v1(35.95,67) 36.64,66.31 36.64,63.39 v1(36.1,62.85) 34.95,64 33.1,64 v1(32.9,63.8) 32.9,64.5 32.15,65.25 v1(32.15,65.9) 31.4,65.15 v1(30.95,65.15) ; v1(12.1,75.6) 11.25,74.75 v1(11.25,73.75)
  Bottom w0.15: U38.4 U38.1 ; C223.1 21.22,79.08 22.72,79.08 R219.1 ; R227.2 25.44,77.6 26.95,76.09 U3.50 26.95,75.12 27.74,74.32 28.45,74.32 ; v1(30.2,67.85) 30.35,68 31.44,68 32.25,67.19 32.25,66.09 32.2,66.04 30.85,66.04 32.45,66.04 U3.20 ; U37.6 34.35,77.9 34.92,78.47 35.6,78.47 35.88,78.75 35.88,80.67 R208.1 ; 27.65,67.7 28.05,67.7 v1(28.15,67.8) ; 26.24,71.85 26.55,71.85 v1(27.15,72.45) ; 28.45,74.32 28.45,74.2 v1(28.25,74) ; 28.45,74.32 29.24,74.32 29.95,75.03 U3.56
  Bottom w0.3: v1(36.1,62.85) 36.9,62.85 37.2,63.15 R213.1 ; 12.3,76.6 C230.1 v1(12.75,77.7) ; 12.3,76.6 12.1,76.4 v1(12.1,75.6) ; 12.3,76.6 C214.1 ; v1(19.55,71.8) 19.55,72.4 U43.1 ; 35.86,82.35 35.2,81.69 R208.1 ; 35.86,82.35 36.21,82.7 38.7,82.7 42.85,78.55 43.25,78.55 43.85,77.95 43.85,76.85 43.25,76.25 41.88,76.25 41.32,76.81 41.32,77.28 39.5,79.1 FL8.1 38.17,78.47 39.09,77.55 39.09,76.06 U36.5 40,74.9 U38.1 38.9,72.4 38.9,71.25 38.74,71.09 38.74,69.05 37.82,68.13 FL6.2 36.38,68.13 35.76,67.51 35.76,67.19 v1(35.95,67) ; 35.86,82.35 35.45,82.35 v1(35.2,82.6) ; v1(12.95,67.4) 13.8,67.4 U39.5 15.08,67.55 16.03,68.5 U39.1 16.9,69.05 v1(18,69.05) ; C216.1 11.2,73.7 v1(11.25,73.75) ; C221.1 R219.1 23.32,78.6 24.25,77.67 25.12,77.67 R227.2 25.7,77.6 R220.1 R209.1 R113.1 26.2,82.05 v1(27.7,83.55) ; C211.1 C214.1 ; C214.1 C201.1 C202.1 ; v1(22.55,69.7) 22.3,69.45 20.72,69.45 20.35,69.82 U43.5 20.35,70.65 v1(20.2,70.8) 20.2,70.3 ; R210.1 R212.1 R213.1 ; U3.31 26.95,67 27.65,67.7 27.65,70.44 26.24,71.85 U3.42 25.64,71.95 v1(24.75,71.95) ; U45.1 34.4,59.55 v1(33.6,58.75) ; v1(14.85,79.9) 15.11,80.16 20.14,80.16 C223.1 C228.1 20.7,78.05 U44.1 ; 15.85,73.65 15.85,74.45 R223.2 15.2,74.1 R111.1 14.2,73.6 C226.1 ; U3.20 32.45,66.2 v1(32.15,65.9) ; C226.1 14.95,72.35 U42.1 ; C226.1 C217.1 ; R213.1 38.15,62.65 38.15,60.65 R214.1 38.7,59.1 C215.1 37.7,58.5 v1(36,56.8) ; R229.2 30.7,64.9 v1(30.95,65.15) ; v1(32.9,63.8) 32.6,63.5 32.41,63.5 U41.5
/USB_JTAG_PROGRAMMING/VIN: length 40.7
  Top w0.3: J16.1 6.05,74.9
  Top w0.5: v1(8.4,80.3) 7.4,80.3 6.9,79.8 6.9,75.5 6.3,74.9 6.05,74.9
  SIGNAL2.Cu w0.5: v1(9.9,79.95) 10.8,80.85 14.68,80.85 15.65,79.88 15.65,79.85 21.12,79.85 21.77,80.5 23.05,80.5 23.9,81.35 36.3,81.35 36.9,81.95 v1(38.1,81.95)
  Bottom w0.5: FL7.1 38.17,81.85 38.1,81.92 ; 8.4,80.27 8.7,79.97 C208.1 8.8,79.5 9.45,79.5 v1(9.9,79.95)
